# Allegro board 8880F5-0825_4.brd (continued)
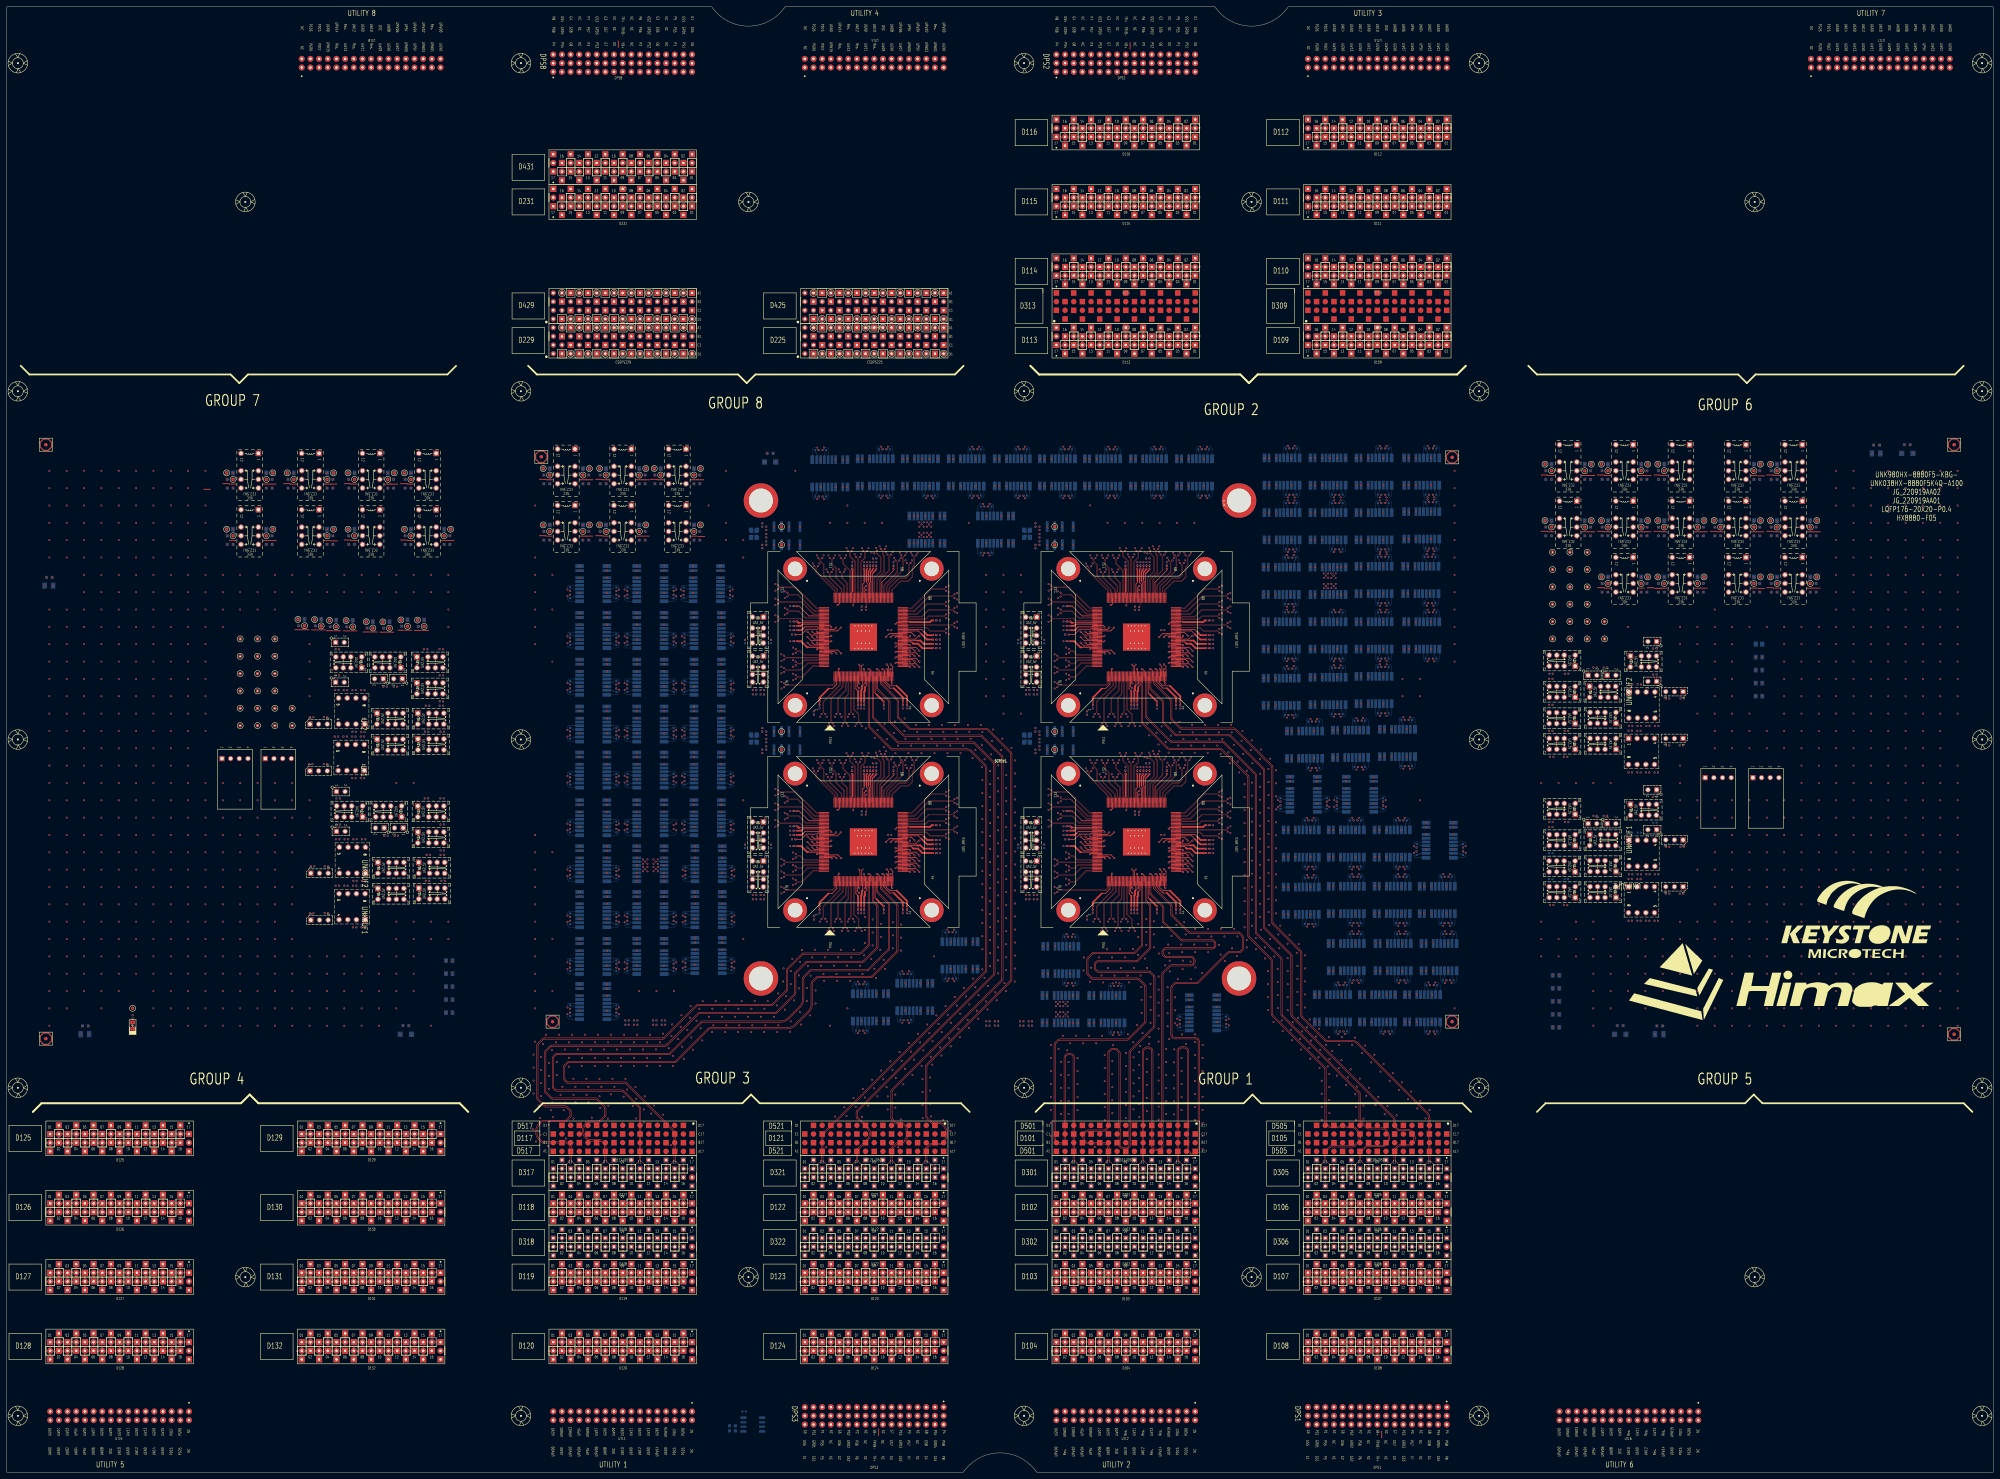
[diagram p0: board, top side]
## Placement (name value [footprint] x y rotation side) (continued)
D103  V93K_CH  [PG_VG93K_F_G1D103]  327.66 57.15 0 top
D104  V93K_CH  [PG_VG93K_F_G1D104]  327.66 36.83 0 top
D105/D505  V93K_PS1600 HD  [PG_VG93K_F_HSM_G1D105_505_ND]  401.32 97.79 0 top
D106  V93K_CH  [PG_VG93K_F_G1D106]  401.32 77.47 0 top
D107  V93K_CH  [PG_VG93K_F_G1D107]  401.32 57.15 0 top
D108  V93K_CH  [PG_VG93K_F_G1D108]  401.32 36.83 0 top
D109  V93K_CH  [PG_VG93K_F_G2D109]  401.32 331.47 0 top
D110  V93K_CH  [PG_VG93K_F_G2D110]  401.32 351.79 0 top
D111  V93K_CH  [PG_VG93K_F_G2D111]  401.32 372.11 0 top
D112  V93K_CH  [PG_VG93K_F_G2D112]  401.32 392.43 0 top
D113  V93K_CH  [PG_VG93K_F_G2D113]  327.66 331.47 0 top
D114  V93K_CH  [PG_VG93K_F_G2D114]  327.66 351.79 0 top
D115  V93K_CH  [PG_VG93K_F_G2D115]  327.66 372.11 0 top
D116  V93K_CH  [PG_VG93K_F_G2D116]  327.66 392.43 0 top
D117/D517  V93K_PS1600 HD  [PG_VG93K_F_HSM_G3D117_517_ND]  180.34 97.79 0 top
D118  V93K_CH  [PG_VG93K_F_G3D118]  180.34 77.47 0 top
D119  V93K_CH  [PG_VG93K_F_G3D119]  180.34 57.15 0 top
D120  V93K_CH  [PG_VG93K_F_G3D120]  180.34 36.83 0 top
D121/D521  V93K_PS1600 HD  [PG_VG93K_F_HSM_G3D121_521_ND]  254 97.79 0 top
D122  V93K_CH  [PG_VG93K_F_G3D122]  254 77.47 0 top
D123  V93K_CH  [PG_VG93K_F_G3D123]  254 57.15 0 top
D124  V93K_CH  [PG_VG93K_F_G3D124]  254 36.83 0 top
D125  V93K_CH  [PG_VG93K_F_G4D125]  33.02 97.79 0 top
D126  V93K_CH  [PG_VG93K_F_G4D126]  33.02 77.47 0 top
D127  V93K_CH  [PG_VG93K_F_G4D127]  33.02 57.15 0 top
D128  V93K_CH  [PG_VG93K_F_G4D128]  33.02 36.83 0 top
D129  V93K_CH  [PG_VG93K_F_G4D129]  106.68 97.79 0 top
D130  V93K_CH  [PG_VG93K_F_G4D130]  106.68 77.47 0 top
D131  V93K_CH  [PG_VG93K_F_G4D131]  106.68 57.15 0 top
D132  V93K_CH  [PG_VG93K_F_G4D132]  106.68 36.83 0 top
D231  V93K_CH  [PG_VG93K_F_G8D231]  180.34 372.11 0 top
D301  V93K_CH  [PG_VG93K_F_G1D301]  327.66 87.63 0 top
D302  V93K_CH  [PG_VG93K_F_G1D302]  327.66 67.31 0 top
D305  V93K_CH  [PG_VG93K_F_G1D305]  401.32 87.63 0 top
D306  V93K_CH  [PG_VG93K_F_G1D306]  401.32 67.31 0 top
D309  V93K_PSSL  [PG_VG93K_F_PSSL_G2D309_ND]  401.32 341.63 0 top
D313  V93K_PSSL  [PG_VG93K_F_PSSL_G2D313_ND]  327.66 341.63 0 top
D317  V93K_CH  [PG_VG93K_F_G3D317]  180.34 87.63 0 top
D318  V93K_CH  [PG_VG93K_F_G3D318]  180.34 67.31 0 top
D321  V93K_CH  [PG_VG93K_F_G3D321]  254 87.63 0 top
D322  V93K_CH  [PG_VG93K_F_G3D322]  254 67.31 0 top
D431  V93K_CH  [PG_VG93K_F_G8D431]  180.34 382.27 0 top
DPS1  V93K_DPS  [PG_VG93K_F_G1DPS1]  401.32 16.51 0 top
DPS2  V93K_DPS  [PG_VG93K_F_G2DPS2]  327.66 412.75 0 top
DPS3  V93K_DPS  [PG_VG93K_F_G3DPS3]  254 16.51 0 top
DPS8  V93K_DPS  [PG_VG93K_F_G8DPS8]  180.34 412.75 0 top
FD1  -  [FD_040_V2]  159.82 131.98 0 top
FD2  -  [FD_040_V2]  423.24 131.98 0 top
FD3  -  [FD_040_V2]  423.24 297.28 0 top
FD4  -  [FD_040_V2]  156.51 297.46 0 top
FD5  -  [FD_040_V2]  159.82 131.98 180 bottom
FD6  -  [FD_040_V2]  423.24 131.98 180 bottom
FD7  -  [FD_040_V2]  423.24 297.28 180 bottom
FD8  -  [FD_040_V2]  156.51 297.46 180 bottom
FD9  -  [FD_040_V2]  570.23 128.27 180 bottom
FD10  -  [FD_040_V2]  570.23 300.99 0 top
FD11  -  [FD_040_V2]  570.23 300.99 180 bottom
FD12  -  [FD_040_V2]  11.43 300.99 0 top
FD13  -  [FD_040_V2]  11.43 300.99 180 bottom
FD14  -  [FD_040_V2]  11.43 127 0 top
FD15  -  [FD_040_V2]  11.43 127 180 bottom
FD16  -  [FD_040_V2]  570.23 128.27 0 top
GND1  TP01  [TP_040_T]  173.57 294 0 top
GND2  TP01  [TP_040_T]  187.11 294 180 top
GND3  TP01  [TP_040_T]  116.42 292.74 0 top
GND4  TP01  [TP_040_T]  157.06 294 0 top
GND5  TP01  [TP_040_T]  170.6 294 180 top
GND6  TP01  [TP_040_T]  173.57 277.5 0 top
GND7  TP01  [TP_040_T]  203.11 294 180 top
GND8  TP01  [TP_040_T]  189.58 294 0 top
GND9  TP01  [TP_040_T]  170.6 277.5 180 top
GND10  TP01  [TP_040_T]  99.36 249.46 0 top
GND11  TP01  [TP_040_T]  94.49 249.52 0 top
GND12  TP01  [TP_040_T]  203.11 277.5 180 top
GND13  TP01  [TP_040_T]  187.11 277.5 180 top
GND14  TP01  [TP_040_T]  157.06 277.5 0 top
HX8880-F05  REF-CODE-CHIP  [CHIP_CODE]  559.05 279.65 0 top
J1  HDR-2X1-M  [JP_2P_100]  110.24 232.41 270 bottom
J2  HDR-3X1-M  [JP_3P_100]  88.76 205.43 90 bottom
J3  HDR-3X1-M  [JP_3P_100]  88.76 219.15 90 bottom
J4  HDR-2X1-M  [JP_2P_100]  96.27 231.39 90 bottom
J5  HDR-2X1-M  [JP_2P_100]  96.27 243.08 90 bottom
JG_220919AA01  REF-CODE-SOCKET  [SOCKET_CODE]  559.05 284.73 0 top
JG_220919AA02  REF-CODE-SOCKET  [SOCKET_CODE]  559.05 287.27 0 top
K1  G6K-2F-RF-T-5V-SPECIAL  [RL_G6K2FRT_8P_5V_GR]  171.7 219.2 270 bottom
K2  G6K-2F-RF-T-5V-SPECIAL  [RL_G6K2FRT_8P_5V_GR]  205.23 232.92 270 bottom
K3  G6K-2F-RF-T-5V-SPECIAL  [RL_G6K2FRT_8P_5V_GR]  294.39 292.86 0 bottom
K4  G6K-2F-RF-T-5V-SPECIAL  [RL_G6K2FRT_8P_5V_GR]  307.59 292.86 0 bottom
K5  G6K-2F-RF-T-5V-SPECIAL  [RL_G6K2FRT_8P_5V_GR]  347.73 292.86 0 bottom
K6  G6K-2F-RF-T-5V-SPECIAL  [RL_G6K2FRT_8P_5V_GR]  334.26 292.86 0 bottom
K7  G6K-2F-RF-T-5V-SPECIAL  [RL_G6K2FRT_8P_5V_GR]  320.8 292.86 0 bottom
K8  G6K-2F-RF-T-5V-SPECIAL  [RL_G6K2FRT_8P_5V_GR]  267.46 292.86 0 bottom
K9  UA2-5NJ-A-V3  [RL_NECUA2_5V_V3]  219.96 235.46 90 bottom
K10  UA2-5NJ-A-V3  [RL_NECUA2_5V_V3]  111.76 237.24 0 bottom
K11  G6K-2F-RF-T-5V-SPECIAL  [RL_G6K2FRT_8P_5V_GR]  289.56 276.1 180 bottom
K12  UA2-5NJ-A-V3  [RL_NECUA2_5V_V3]  219.96 246.89 90 bottom
K13  UA2-5NJ-A-V3  [RL_NECUA2_5V_V3]  123.7 229.62 180 bottom
K14  UA2-5NJ-A-V3  [RL_NECUA2_5V_V3]  112.01 220.73 180 bottom
K15  UA2-5NJ-A-V3  [RL_NECUA2_5V_V3]  123.99 213.19 180 bottom
K16  G6K-2F-RF-T-5V-SPECIAL  [RL_G6K2FRT_8P_5V_GR]  241.05 292.61 180 bottom
K17  G6K-2F-RF-T-5V-SPECIAL  [RL_G6K2FRT_8P_5V_GR]  254.25 292.86 0 bottom
K18  UB2-5NU-B  [RL_NECUB2_5V]  228.45 274.32 0 bottom
K19  UA2-5NJ-A-V3  [RL_NECUA2_5V_V3]  112.01 213.11 180 bottom
K20  UA2-5NJ-A-V3  [RL_NECUA2_5V_V3]  123.95 220.73 180 bottom
K21  G6K-2F-RF-T-5V-SPECIAL  [RL_G6K2FRT_8P_5V_GR]  280.92 292.86 0 bottom
K22  G6K-2F-RF-T-5V-SPECIAL  [RL_G6K2FRT_8P_5V_GR]  205.23 246.63 270 bottom
K23  G6K-2F-RF-T-5V-SPECIAL  [RL_G6K2FRT_8P_5V_GR]  188.47 232.92 270 bottom
K24  G6K-2F-RF-T-5V-SPECIAL  [RL_G6K2FRT_8P_5V_GR]  171.7 232.92 270 bottom
K25  G6K-2F-RF-T-5V-SPECIAL  [RL_G6K2FRT_8P_5V_GR]  204.98 260.35 270 bottom
K26  G6K-2F-RF-T-5V-SPECIAL  [RL_G6K2FRT_8P_5V_GR]  188.47 246.63 270 bottom
K27  G6K-2F-RF-T-5V-SPECIAL  [RL_G6K2FRT_8P_5V_GR]  171.7 246.63 270 bottom
K28  UA2-5NJ-A-V3  [RL_NECUA2_5V_V3]  100.33 237.24 0 bottom
K29  G6K-2F-RF-T-5V-SPECIAL  [RL_G6K2FRT_8P_5V_GR]  171.7 260.35 270 bottom
K30  G6K-2F-RF-T-5V-SPECIAL  [RL_G6K2FRT_8P_5V_GR]  188.47 260.35 270 bottom
K31  EC2-5NJ-A  [RL_NECEC2_10P_5V]  196.34 276.86 90 bottom
K33  NC/UA2-5NJ-A-V3  [RL_NECUA2_5V_V3]  123.7 237.24 180 bottom
K34  EC2-5NJ-A  [RL_NECEC2_10P_5V]  180.34 293.37 90 bottom
K36  EC2-5NJ-A  [RL_NECEC2_10P_5V]  123.19 292.1 90 bottom
K37  EC2-5NJ-A  [RL_NECEC2_10P_5V]  163.83 293.37 90 bottom
K39  EC2-5NJ-A  [RL_NECEC2_10P_5V]  180.34 276.86 90 bottom
K40  EC2-5NJ-A  [RL_NECEC2_10P_5V]  196.34 293.37 90 bottom
K42  EC2-5NJ-A  [RL_NECEC2_10P_5V]  163.83 276.86 90 bottom
K43  G6K-2F-RF-T-5V-SPECIAL  [RL_G6K2FRT_8P_5V_GR]  269.49 276.1 180 bottom
LD902  LDG-2-S8  [LED_0805]  36.83 130.81 90 top
LOGO1  -  [LOGO_KT_KSMT]  538.48 154.94 0 top
LOGO2  LOGO_HX_Himax  [LOGO_HX_HIMAX]  518.16 138.43 0 top
LQFP176-20X20-P0.4  REF-CODE-CHIP  [CHIP_CODE]  559.05 282.19 0 top
NOREF  -  []  332.83 204.65 90 top
NOREF#2  -  []  252.6 296.86 0 top
NOREF#3  -  []  218.16 188.49 0 top
NOREF#4  -  []  119.99 214.79 0 top
NOREF#5  -  []  405.93 272.66 90 top
NOREF#6  -  []  199.08 254 90 top
NOREF#7  -  []  318.32 131.64 0 top
NOREF#8  -  []  256.77 223.82 90 top
NOREF#9  -  []  403.99 163.64 0 top
NOREF#10  -  []  398.65 265.37 0 top
NOREF#11  -  []  495.08 257.36 90 top
NOREF#12  -  []  385.19 257.11 0 top
NOREF#13  -  []  385.93 161.74 0 top
NOREF#14  -  []  310.41 186.34 90 top
NOREF#15  -  []  168.13 186.02 90 top
NOREF#16  -  []  252.51 205.55 0 top
NOREF#17  -  []  404.15 273.11 0 top
NOREF#18  -  []  199.59 145.03 0 top
NOREF#19  -  []  321.35 296.86 0 top
NOREF#20  -  []  199.84 148.65 90 top
NOREF#21  -  []  200.98 260.9 90 top
NOREF#22  -  []  248.96 224.74 0 top
NOREF#23  -  []  423.61 184.62 90 top
NOREF#24  -  []  271.34 182.64 0 top
NOREF#25  -  []  241.6 296.61 0 top
NOREF#26  -  []  473.6 162.62 90 top
NOREF#27  -  []  253.72 264.65 90 top
NOREF#28  -  []  423.71 181.22 90 top
NOREF#29  -  []  320.94 211.63 90 top
NOREF#30  -  []  309.21 253.37 0 top
NOREF#31  -  []  300.36 248.49 0 top
NOREF#32  -  []  175.7 154.88 90 top
NOREF#33  -  []  116.01 214.71 0 top
NOREF#34  -  []  175.7 182.06 90 top
NOREF#35  -  []  66.26 287.84 90 top
NOREF#36  -  []  336.45 164.74 0 top
NOREF#37  -  []  112.16 238.84 0 top
NOREF#38  -  []  201.49 149.73 90 top
NOREF#39  -  []  310.73 189.2 0 top
NOREF#40  -  []  396.55 289.12 0 top
NOREF#41  -  []  381.74 265.11 0 top
NOREF#42  -  []  108.01 214.71 0 top
NOREF#43  -  []  332.83 205.86 90 top
NOREF#44  -  []  122.15 195.15 0 top
NOREF#45  -  []  369.38 257.11 0 top
NOREF#46  -  []  337.09 223.52 90 top
NOREF#47  -  []  127.55 219.13 90 top
NOREF#48  -  []  167.7 176.66 90 top
NOREF#49  -  []  201.49 176.66 90 top
NOREF#50  -  []  302.49 296.86 0 top
NOREF#51  -  []  184.47 260.9 90 top
NOREF#52  -  []  201.49 151.93 90 top
NOREF#53  -  []  221.87 295.91 0 top
NOREF#54  -  []  235.4 289.88 90 top
NOREF#55  -  []  351.34 241.37 0 top
NOREF#56  -  []  263.31 164.74 0 top
NOREF#57  -  []  118.45 234.24 90 top
NOREF#58  -  []  352.55 249.5 0 top
NOREF#59  -  []  405.5 225.11 90 top
NOREF#60  -  []  351.04 189.18 0 top
NOREF#61  -  []  290.64 288.86 0 top
NOREF#62  -  []  327.25 205.55 0 top
NOREF#63  -  []  259.33 265.55 0 top
NOREF#64  -  []  385.61 208.56 90 top
NOREF#65  -  []  118.33 286.94 90 top
NOREF#66  -  []  353.35 288.41 90 top
NOREF#67  -  []  175.8 147.18 90 top
NOREF#68  -  []  390.53 180.15 0 top
NOREF#69  -  []  460.93 225.6 90 top
NOREF#70  -  []  409.99 146.93 90 top
NOREF#71  -  []  315.7 296.86 0 top
NOREF#72  -  []  230.43 186.34 90 top
NOREF#73  -  []  339.89 288.31 90 top
NOREF#74  -  []  404.15 241.11 0 top
NOREF#75  -  []  251.05 204.65 90 top
NOREF#76  -  []  331.05 205.86 90 top
NOREF#77  -  []  411.26 179.7 90 top
NOREF#78  -  []  219.76 297.18 0 top
NOREF#79  -  []  238.45 257.01 0 top
NOREF#80  -  []  472.86 210.36 90 top
NOREF#81  -  []  402.14 146.88 0 top
NOREF#82  -  []  451.68 214.96 0 top
NOREF#83  -  []  230.43 247.61 90 top
NOREF#84  -  []  167.7 151.68 90 top
NOREF#85  -  []  261.63 173.83 90 top
NOREF#86  -  []  368.03 249.11 0 top
NOREF#87  -  []  310.43 183.09 90 top
NOREF#88  -  []  400.24 198.08 90 top
NOREF#89  -  []  106.76 222.88 0 top
NOREF#90  -  []  284.36 280.1 0 top
NOREF#91  -  []  263.31 164.72 0 top
NOREF#92  -  []  177.33 133.47 90 top
NOREF#93  -  []  387.39 281.11 0 top
NOREF#94  -  []  242.23 233.13 0 top
NOREF#95  -  []  352.24 241.05 90 top
NOREF#96  -  []  339.33 265.56 90 top
NOREF#97  -  []  479.44 195.66 0 top
NOREF#98  -  []  367.48 258.38 90 top
NOREF#99  -  []  175.7 236.67 90 top
NOREF#100  -  []  108.01 222.33 0 top
NOREF#101  -  []  388.43 180.15 0 top
NOREF#102  -  []  127.7 238.84 0 top
NOREF#103  -  []  308.36 202.16 45 top
NOREF#104  -  []  371.73 297.12 0 top
NOREF#105  -  []  398.53 178.25 90 top
NOREF#106  -  []  333.4 265.55 0 top
NOREF#107  -  []  310.43 186.34 90 top
NOREF#108  -  []  390.53 146.88 0 top
NOREF#109  -  []  451.68 230.2 0 top
NOREF#110  -  []  411.52 146.43 90 top
NOREF#111  -  []  416.03 179.42 90 top
NOREF#112  -  []  351.58 288.86 0 top
NOREF#113  -  []  168.13 159.1 90 top
NOREF#114  -  []  377.32 180.15 0 top
NOREF#115  -  []  184.47 215.35 90 top
NOREF#116  -  []  249.85 164.74 0 top
NOREF#117  -  []  415.61 181.32 90 top
NOREF#118  -  []  475.36 127 90 top
NOREF#119  -  []  379.48 255.21 90 top
NOREF#120  -  []  177.33 214.75 90 top
NOREF#121  -  []  119.7 231.22 0 top
NOREF#122  -  []  332.51 265.55 0 top
NOREF#123  -  []  192.47 264.1 90 top
NOREF#124  -  []  249.13 140.14 0 top
NOREF#125  -  []  88.64 247.45 90 top
NOREF#126  -  []  175.8 160.9 90 top
NOREF#127  -  []  184.47 159.65 90 top
NOREF#128  -  []  230.41 183.09 90 top
NOREF#129  -  []  309.21 183.09 0 top
NOREF#130  -  []  273.5 148.65 90 top
NOREF#131  -  []  328.33 247.93 0 top
NOREF#132  -  []  478.57 259.9 90 top
NOREF#133  -  []  209.23 191.22 90 top
NOREF#134  -  []  331.62 205.55 0 top
NOREF#135  -  []  351.34 189.5 0 top
NOREF#136  -  []  290.64 288.86 0 top
NOREF#137  -  []  310.43 183.09 0 top
NOREF#138  -  []  373.93 281.11 0 top
NOREF#139  -  []  342.63 296.86 0 top
NOREF#140  -  []  339.33 205.55 0 top
NOREF#141  -  []  388.66 139.89 0 top
NOREF#142  -  []  234.7 286.71 90 top
NOREF#143  -  []  229.51 246.66 0 top
NOREF#144  -  []  375.22 180.15 0 top
NOREF#145  -  []  117.26 190.55 90 top
NOREF#146  -  []  379.48 239.21 90 top
NOREF#147  -  []  201.23 200.54 90 top
NOREF#148  -  []  252.51 265.55 0 top
NOREF#149  -  []  230.73 193.69 0 top
NOREF#150  -  []  277.17 288.86 0 top
NOREF#151  -  []  369.38 224.6 0 top
NOREF#152  -  []  253.53 140.14 0 top
NOREF#153  -  []  252.83 205.86 90 top
NOREF#154  -  []  378.33 241.11 90 top
NOREF#155  -  []  251.62 265.56 90 top
NOREF#156  -  []  262.04 224.74 0 top
NOREF#157  -  []  118.7 195.7 0 top
NOREF#158  -  []  201.23 204.09 90 top
NOREF#159  -  []  328.96 164.72 0 top
NOREF#160  -  []  254.29 265.55 0 top
NOREF#161  -  []  342.04 224.72 0 top
NOREF#162  -  []  310.41 187.61 90 top
NOREF#163  -  []  378.33 257.11 90 top
NOREF#164  -  []  201.21 292.55 90 top
NOREF#165  -  []  168.13 240.88 90 top
NOREF#166  -  []  336.77 163.82 90 top
NOREF#167  -  []  119.7 238.84 0 top
NOREF#168  -  []  422.7 163.64 0 top
NOREF#169  -  []  478.57 293.82 90 top
NOREF#170  -  []  167.7 165.4 90 top
NOREF#171  -  []  226.83 209.63 90 top
NOREF#172  -  []  254.29 265.56 0 top
NOREF#173  -  []  459.24 175.86 0 top
NOREF#174  -  []  201.23 233.47 90 top
NOREF#175  -  []  310.43 248.88 0 top
NOREF#176  -  []  272.24 241.05 90 top
NOREF#177  -  []  394.66 258.64 90 top
NOREF#178  -  []  192.47 250.38 90 top
NOREF#179  -  []  295.96 237.06 0 top
NOREF#180  -  []  337.9 186.35 90 top
NOREF#181  -  []  383.09 289.12 0 top
NOREF#182  -  []  263.19 135.19 0 top
NOREF#183  -  []  390.34 192.28 90 top
NOREF#184  -  []  309.51 193.69 0 top
NOREF#185  -  []  317.98 163.82 90 top
NOREF#186  -  []  155.57 272.6 90 top
NOREF#187  -  []  295.96 248.49 0 top
NOREF#188  -  []  269.69 135.19 0 top
NOREF#189  -  []  230.43 249.52 0 top
NOREF#190  -  []  391.8 209.36 0 top
NOREF#191  -  []  192.47 154.88 90 top
NOREF#192  -  []  404.4 273.16 90 top
NOREF#193  -  []  380.59 239.21 0 top
NOREF#194  -  []  252.83 204.65 90 top
NOREF#195  -  []  245.15 288.66 90 top
NOREF#196  -  []  385.93 144.98 0 top
NOREF#197  -  []  119.95 187.53 0 top
NOREF#198  -  []  175.7 218.65 90 top
NOREF#199  -  []  327.57 204.65 90 top
NOREF#200  -  []  388.43 163.64 0 top
NOREF#201  -  []  390.94 224.9 90 top
NOREF#202  -  []  314.2 145.6 90 top
NOREF#203  -  []  409.17 281.37 0 top
NOREF#204  -  []  184.47 255.15 90 top
NOREF#205  -  []  330.51 288.86 0 top
NOREF#206  -  []  248.96 224.72 0 top
NOREF#207  -  []  309.21 193.37 0 top
NOREF#208  -  []  275.28 290.13 90 top
NOREF#209  -  []  459.28 183.57 90 top
NOREF#210  -  []  250.5 288.86 0 top
NOREF#211  -  []  408.63 242.38 90 top
NOREF#212  -  []  352.55 181.37 0 top
NOREF#213  -  []  328.96 224.72 0 top
NOREF#214  -  []  118.45 231.77 0 top
NOREF#215  -  []  103.93 235.64 90 top
NOREF#216  -  []  168.13 213.45 90 top
NOREF#217  -  []  468.01 214.96 0 top
NOREF#218  -  []  392.47 272.66 90 top
NOREF#219  -  []  302.32 144.15 0 top
NOREF#220  -  []  271.34 181.37 0 top
NOREF#221  -  []  456.08 230.2 0 top
NOREF#222  -  []  250.73 264.35 90 top
NOREF#223  -  []  351.04 245.5 0 top
NOREF#224  -  []  383.09 289.12 0 top
NOREF#225  -  []  330.17 223.82 90 top
NOREF#226  -  []  184.47 145.93 0 top
NOREF#227  -  []  406.65 223.21 90 top
NOREF#228  -  []  377.32 188.15 0 top
NOREF#229  -  []  209.49 168.6 90 top
NOREF#230  -  []  385.19 289.12 0 top
NOREF#231  -  []  309.05 211.67 0 top
NOREF#232  -  []  106.76 215.26 0 top
NOREF#233  -  []  235.85 288.61 90 top
NOREF#234  -  []  377.48 273.16 90 top
NOREF#235  -  []  201.23 215.35 90 top
NOREF#236  -  []  309.51 253.69 0 top
NOREF#237  -  []  229.21 253.37 0 top
NOREF#238  -  []  320.94 151.63 90 top
NOREF#239  -  []  262.04 164.74 0 top
NOREF#240  -  []  396.55 273.11 0 top
NOREF#241  -  []  271.04 184.23 0 top
NOREF#242  -  []  302.71 132.91 90 top
NOREF#243  -  []  453.88 171.53 0 top
NOREF#244  -  []  392.66 192.88 90 top
NOREF#245  -  []  229.21 247.61 0 top
NOREF#246  -  []  298.13 274.06 0 top
NOREF#247  -  []  192.47 164.3 90 top
NOREF#248  -  []  310.41 246.34 90 top
NOREF#249  -  []  230.43 248.88 90 top
NOREF#250  -  []  394.46 129.99 90 top
NOREF#251  -  []  305.83 264.31 0 top
NOREF#252  -  []  215.96 237.06 0 top
NOREF#253  -  []  175.7 232.37 90 top
NOREF#254  -  []  302.11 240.71 0 top
NOREF#255  -  []  396.55 273.11 0 top
NOREF#256  -  []  375.73 199.18 90 top
NOREF#257  -  []  209.59 174.36 90 top
NOREF#258  -  []  368.28 281.11 0 top
NOREF#259  -  []  376.98 241.11 0 top
NOREF#260  -  []  184.89 145.38 90 top
NOREF#261  -  []  459.28 192.71 0 top
NOREF#262  -  []  330.73 205.56 0 top
NOREF#263  -  []  94.93 190.55 0 top
NOREF#264  -  []  238.3 288.61 0 top
NOREF#265  -  []  167.7 260.9 90 top
NOREF#266  -  []  394.66 290.39 90 top
NOREF#267  -  []  315.16 290.13 90 top
NOREF#268  -  []  263.2 232.26 90 top
NOREF#269  -  []  168.69 273.5 90 top
NOREF#270  -  []  327.25 205.56 90 top
NOREF#271  -  []  468.01 222.58 0 top
NOREF#272  -  []  250.5 288.86 0 top
NOREF#273  -  []  273.09 288.31 90 top
NOREF#274  -  []  222.11 252.14 0 top
NOREF#275  -  []  366.88 222.7 0 top
NOREF#276  -  []  331.94 264.65 90 top
NOREF#277  -  []  119.95 222.33 0 top
NOREF#278  -  []  110.21 214.71 0 top
NOREF#279  -  []  301.95 290.13 90 top
NOREF#280  -  []  378.33 217.11 0 top
NOREF#281  -  []  167.7 138.47 90 top
NOREF#282  -  []  110.47 171.02 0 top
NOREF#283  -  []  234.7 298.51 0 top
NOREF#284  -  []  392.47 224.4 90 top
NOREF#285  -  []  337.09 224.74 90 top
NOREF#286  -  []  262.36 163.82 90 top
NOREF#287  -  []  414.82 281.37 0 top
NOREF#288  -  []  483.17 130.26 90 top
NOREF#289  -  []  254.61 205.86 90 top
NOREF#290  -  []  390.69 241.11 0 top
NOREF#291  -  []  167.7 186.57 90 top
NOREF#292  -  []  230.43 183.09 0 top
NOREF#293  -  []  175.7 222.95 90 top
NOREF#294  -  []  393.19 255.21 90 top
NOREF#295  -  []  221.56 182.89 0 top
NOREF#296  -  []  424.05 163.64 90 top
NOREF#297  -  []  165.8 185.42 90 top
NOREF#298  -  []  461.86 225.6 90 top
NOREF#299  -  []  118.99 171.65 0 top
NOREF#300  -  []  399.39 161.74 0 top
NOREF#301  -  []  279.27 288.86 0 top
NOREF#302  -  []  391.8 217.36 0 top
NOREF#303  -  []  124.1 238.84 0 top
NOREF#304  -  []  396.55 225.11 0 top
NOREF#305  -  []  295.96 237.06 0 top
NOREF#306  -  []  405.5 289.12 90 top
NOREF#307  -  []  201.23 214 0 top
NOREF#308  -  []  234.33 168.13 90 top
NOREF#309  -  []  127.99 214.79 0 top
NOREF#310  -  []  352.24 182.32 90 top
NOREF#311  -  []  383.83 194.68 90 top
NOREF#312  -  []  411.52 146.33 90 top
NOREF#313  -  []  230.83 224.63 0 top
NOREF#314  -  []  217.41 273.24 90 top
NOREF#315  -  []  331.62 204.35 90 top
NOREF#316  -  []  309.51 187.93 0 top
NOREF#317  -  []  218.13 214.06 90 top
NOREF#318  -  []  318.3 163.52 90 top
NOREF#319  -  []  495.08 277.31 90 top
NOREF#320  -  []  175.8 201.79 90 top
NOREF#321  -  []  300.74 286.96 90 top
NOREF#322  -  []  167.7 200.54 0 top
NOREF#323  -  []  343.63 165.04 90 top
NOREF#324  -  []  122.41 178.64 0 top
NOREF#325  -  []  254.61 265.86 90 top
NOREF#326  -  []  495.08 274.77 90 top
NOREF#327  -  []  450.03 182.17 0 top
NOREF#328  -  []  456.04 222.5 0 top
NOREF#329  -  []  230.43 253.37 90 top
NOREF#330  -  []  107.18 246.83 90 top
NOREF#331  -  []  338.36 288.91 90 top
NOREF#332  -  []  411.26 163.09 90 top
NOREF#333  -  []  278.6 147.38 0 top
NOREF#334  -  []  371.48 232.6 0 top
NOREF#335  -  []  473.79 234.49 90 top
NOREF#336  -  []  209.23 232.37 90 top
NOREF#337  -  []  271.04 189.82 0 top
NOREF#338  -  []  305.83 204.31 0 top
NOREF#339  -  []  518.38 292.92 90 top
NOREF#340  -  []  251.06 225.04 90 top
NOREF#341  -  []  199.33 226.57 0 top
NOREF#342  -  []  334.29 205.56 0 top
NOREF#343  -  []  310.43 188.88 90 top
NOREF#344  -  []  112.41 214.71 0 top
NOREF#345  -  []  449.99 174.46 0 top
NOREF#346  -  []  167.7 165.4 90 top
NOREF#347  -  []  342.04 224.74 0 top
NOREF#348  -  []  473.7 176.22 90 top
NOREF#349  -  []  201.49 165.4 90 top
NOREF#350  -  []  333.4 205.56 90 top
NOREF#351  -  []  424.55 146.88 90 top
NOREF#352  -  []  254.8 296.86 0 top
NOREF#353  -  []  127.84 167.9 90 top
NOREF#354  -  []  387.08 171.64 0 top
NOREF#355  -  []  368.03 232.6 0 top
NOREF#356  -  []  404.4 241.16 90 top
NOREF#357  -  []  387.39 232.85 0 top
NOREF#358  -  []  387.2 207.46 0 top
NOREF#359  -  []  369.63 289.12 0 top
NOREF#360  -  []  331.38 223.52 90 top
NOREF#361  -  []  167.7 132.72 0 top
NOREF#362  -  []  115.61 219.13 90 top
NOREF#363  -  []  272.25 245.5 0 top
NOREF#364  -  []  352.24 244.86 90 top
NOREF#365  -  []  184.47 173.11 90 top
NOREF#366  -  []  419.9 240.56 90 top
NOREF#367  -  []  254.29 205.55 0 top
NOREF#368  -  []  459.28 227 0 top
NOREF#369  -  []  381.2 242.38 90 top
NOREF#370  -  []  451.68 195.91 0 top
NOREF#371  -  []  322.23 233.13 90 top
NOREF#372  -  []  397.8 163.09 90 top
NOREF#373  -  []  166.06 216.47 90 top
NOREF#374  -  []  272.25 181.05 90 top
NOREF#375  -  []  330.49 224.74 90 top
NOREF#376  -  []  331.86 252.43 90 top
NOREF#377  -  []  298.13 274.06 90 top
NOREF#378  -  []  461.86 187.32 0 top
NOREF#379  -  []  333.4 265.56 90 top
NOREF#380  -  []  310.73 189.2 0 top
NOREF#381  -  []  451.68 195.91 0 top
NOREF#382  -  []  409.74 180.2 90 top
NOREF#383  -  []  272.24 182.32 90 top
NOREF#384  -  []  481.96 276.41 90 top
NOREF#385  -  []  257.9 186.99 0 top
NOREF#386  -  []  310.73 249.2 0 top
NOREF#387  -  []  310.43 248.88 90 top
NOREF#388  -  []  192.47 168.6 90 top
NOREF#389  -  []  400.54 171.64 0 top
NOREF#390  -  []  462.06 291.28 90 top
NOREF#391  -  []  111.54 290.38 90 top
NOREF#392  -  []  242.23 173.13 90 top
NOREF#393  -  []  385.93 178.25 0 top
NOREF#394  -  []  310.43 189.52 0 top
NOREF#395  -  []  272.25 243.59 90 top
NOREF#396  -  []  283.91 273.37 90 top
NOREF#397  -  []  209.23 218.65 90 top
NOREF#398  -  []  373.68 232.6 0 top
NOREF#399  -  []  175.7 177.76 90 top
NOREF#400  -  []  230.43 246.34 90 top
NOREF#401  -  []  118.7 188.08 0 top
NOREF#402  -  []  330.49 164.74 90 top
NOREF#403  -  []  252.51 205.56 90 top
NOREF#404  -  []  199.33 199.39 0 top
NOREF#405  -  []  369.38 241.11 0 top
NOREF#406  -  []  298.16 237.06 0 top
NOREF#407  -  []  419.47 241.11 90 top
NOREF#408  -  []  247.57 265.86 90 top
NOREF#409  -  []  310.43 187.61 90 top
NOREF#410  -  []  199.33 185.42 0 top
NOREF#411  -  []  168.69 290.01 90 top
NOREF#412  -  []  414.82 249.11 0 top
NOREF#413  -  []  119.95 195.15 0 top
NOREF#414  -  []  112.41 222.33 0 top
NOREF#415  -  []  310.73 186.66 0 top
NOREF#416  -  []  251.54 252.73 90 top
NOREF#417  -  []  259.65 204.65 90 top
NOREF#418  -  []  272.25 182.96 0 top
NOREF#419  -  []  201.49 146.18 0 top
NOREF#420  -  []  217.71 276.09 0 top
NOREF#421  -  []  376.15 192.88 90 top
NOREF#422  -  []  336.45 224.72 0 top
NOREF#423  -  []  376.23 209.11 0 top
NOREF#424  -  []  400.85 265.37 0 top
NOREF#425  -  []  251.06 163.82 90 top
NOREF#426  -  []  107.76 238.84 0 top
NOREF#427  -  []  182.57 144.78 0 top
NOREF#428  -  []  201.49 173.11 0 top
NOREF#429  -  []  230.41 193.37 90 top
NOREF#430  -  []  177.33 255.9 90 top
NOREF#431  -  []  389.7 209.36 0 top
NOREF#432  -  []  467.51 186.77 0 top
NOREF#433  -  []  407.67 129.99 90 top
NOREF#434  -  []  410.52 273.37 0 top
NOREF#435  -  []  380.59 271.21 0 top
NOREF#436  -  []  271.04 241.69 0 top
NOREF#437  -  []  230.43 253.37 0 top
NOREF#438  -  []  201.23 192.32 90 top
NOREF#439  -  []  369.63 273.11 0 top
NOREF#440  -  []  304.82 146.05 0 top
NOREF#441  -  []  378.33 209.11 0 top
NOREF#442  -  []  310.73 187.93 0 top
NOREF#443  -  []  402.14 146.88 0 top
NOREF#444  -  []  66.26 290.38 90 top
NOREF#445  -  []  317.57 269.63 90 top
NOREF#446  -  []  296.96 252.14 0 top
NOREF#447  -  []  418.12 241.11 0 top
NOREF#448  -  []  230.43 253.37 90 top
NOREF#449  -  []  166.06 189.04 90 top
NOREF#450  -  []  209.59 160.9 90 top
NOREF#451  -  []  404.15 257.37 0 top
NOREF#452  -  []  166.06 257.62 90 top
NOREF#453  -  []  463.61 171.53 0 top
NOREF#454  -  []  392.21 131.94 90 top
NOREF#455  -  []  229.21 183.09 0 top
NOREF#456  -  []  238.45 197.01 0 top
NOREF#457  -  []  297.83 234.63 90 top
NOREF#458  -  []  311.44 288.86 0 top
NOREF#459  -  []  311.69 288.91 90 top
NOREF#460  -  []  330.73 265.56 0 top
NOREF#461  -  []  367.48 225.87 90 top
NOREF#462  -  []  310.43 249.52 0 top
NOREF#463  -  []  184.47 260.9 90 top
NOREF#464  -  []  184.47 227.72 0 top
NOREF#465  -  []  367.48 242.38 90 top
NOREF#466  -  []  165.8 226.57 90 top
NOREF#467  -  []  327.89 264.35 90 top
NOREF#468  -  []  272.25 249.82 0 top
NOREF#469  -  []  175.7 230.17 90 top
NOREF#470  -  []  405.93 256.82 90 top
NOREF#471  -  []  354.27 138.37 90 top
NOREF#472  -  []  414.82 297.12 0 top
NOREF#473  -  []  209.33 215.25 90 top
NOREF#474  -  []  448.94 273.87 90 top
NOREF#475  -  []  419.65 256.92 90 top
NOREF#476  -  []  118.45 239.39 0 top
NOREF#477  -  []  315.82 129.74 0 top
NOREF#478  -  []  277.17 288.86 0 top
NOREF#479  -  []  201.23 186.57 90 top
NOREF#480  -  []  263.95 223.52 90 top
NOREF#481  -  []  285.71 280.1 0 top
NOREF#482  -  []  290.64 288.86 0 top
NOREF#483  -  []  250.17 223.82 90 top
NOREF#484  -  []  263.83 231.63 90 top
NOREF#485  -  []  394.66 242.38 90 top
NOREF#486  -  []  182.57 240.28 90 top
NOREF#487  -  []  251.38 223.52 90 top
NOREF#488  -  []  247.57 205.86 90 top
NOREF#489  -  []  397.8 179.7 90 top
NOREF#490  -  []  418.37 289.17 90 top
NOREF#491  -  []  300.36 188.49 0 top
NOREF#492  -  []  182.82 175.58 90 top
NOREF#493  -  []  478.57 274.77 90 top
NOREF#494  -  []  167.7 242.78 90 top
NOREF#495  -  []  128.05 271.33 90 top
NOREF#496  -  []  332.51 265.56 0 top
NOREF#497  -  []  120.24 171.1 0 top
NOREF#498  -  []  369.63 273.11 0 top
NOREF#499  -  []  167.7 217.55 90 top
NOREF#500  -  []  259.65 205.86 90 top
NOREF#501  -  []  390.94 241.16 90 top
NOREF#502  -  []  392.04 273.11 90 top
NOREF#503  -  []  328.96 164.74 0 top
NOREF#504  -  []  396.03 180.15 0 top
NOREF#505  -  []  184.47 149.48 90 top
NOREF#506  -  []  352.25 184.86 90 top
NOREF#507  -  []  301.56 190.49 0 top
NOREF#508  -  []  251.62 204.35 90 top
NOREF#509  -  []  261.63 255.43 90 top
NOREF#510  -  []  209.33 201.79 90 top
NOREF#511  -  []  185.2 276.04 90 top
NOREF#512  -  []  167.7 258.7 90 top
NOREF#513  -  []  390.69 289.12 0 top
NOREF#514  -  []  459.28 211.76 90 top
NOREF#515  -  []  355.89 130.17 90 top
NOREF#516  -  []  344.62 131.89 90 top
NOREF#517  -  []  251.62 265.55 0 top
NOREF#518  -  []  184.89 186.02 90 top
NOREF#519  -  []  272.55 245.18 0 top
NOREF#520  -  []  230.73 189.2 0 top
NOREF#521  -  []  101.82 287.84 90 top
NOREF#522  -  []  334.29 264.35 90 top
NOREF#523  -  []  229.51 186.66 0 top
NOREF#524  -  []  192.47 232.37 90 top
NOREF#525  -  []  317.83 197.63 0 top
NOREF#526  -  []  298.16 177.06 0 top
NOREF#527  -  []  261.21 286.96 0 top
NOREF#528  -  []  354.37 130.67 90 top
NOREF#529  -  []  250.74 224.72 0 top
NOREF#530  -  []  218.16 177.06 0 top
NOREF#531  -  []  101.82 271.33 90 top
NOREF#532  -  []  352.25 185.5 0 top
NOREF#533  -  []  262.04 224.72 0 top
NOREF#534  -  []  127.3 235.64 90 top
NOREF#535  -  []  248.61 290.13 90 top
NOREF#536  -  []  380.59 222.95 0 top
NOREF#537  -  []  418.37 273.42 90 top
NOREF#538  -  []  257.09 223.52 90 top
NOREF#539  -  []  420.15 131.34 90 top
NOREF#540  -  []  209.49 148.63 90 top
NOREF#541  -  []  256.45 224.74 0 top
NOREF#542  -  []  471.21 168.33 0 top
NOREF#543  -  []  249.28 165.04 90 top
NOREF#544  -  []  295.96 248.49 0 top
NOREF#545  -  []  231.15 219.63 90 top
NOREF#546  -  []  184.47 206.29 90 top
NOREF#547  -  []  251.86 192.43 90 top
NOREF#548  -  []  314.33 228.13 90 top
NOREF#549  -  []  397.57 131.89 0 top
NOREF#550  -  []  456.08 239.34 0 top
NOREF#551  -  []  330.73 265.56 90 top
NOREF#552  -  []  405.5 273.11 90 top
NOREF#553  -  []  226.85 211.67 0 top
NOREF#554  -  []  271.04 189.18 0 top
NOREF#555  -  []  237.83 257.63 0 top
NOREF#556  -  []  201.91 145.63 90 top
NOREF#557  -  []  398.65 281.11 0 top
NOREF#558  -  []  184.47 247.18 90 top
NOREF#559  -  []  201.66 186.02 90 top
NOREF#560  -  []  327.25 264.35 90 top
NOREF#561  -  []  127.95 195.15 0 top
NOREF#562  -  []  201.23 192.32 90 top
NOREF#563  -  []  252.51 265.56 0 top
NOREF#564  -  []  220.36 248.49 0 top
NOREF#565  -  []  352.25 244.23 0 top
NOREF#566  -  []  101.82 273.87 90 top
NOREF#567  -  []  310.73 243.41 0 top
NOREF#568  -  []  343.63 223.82 90 top
NOREF#569  -  []  404.15 225.11 0 top
NOREF#570  -  []  397.38 146.88 90 top
NOREF#571  -  []  331.94 205.86 90 top
NOREF#572  -  []  118.7 190.55 90 top
NOREF#573  -  []  246.63 142.04 0 top
NOREF#574  -  []  305.94 296.86 0 top
NOREF#575  -  []  406.19 188.15 0 top
NOREF#576  -  []  322.23 173.13 90 top
NOREF#577  -  []  423.2 146.88 0 top
NOREF#578  -  []  322.23 233.13 0 top
NOREF#579  -  []  465.45 276.41 90 top
NOREF#580  -  []  118.45 239.39 0 top
NOREF#581  -  []  199.59 230.19 90 top
NOREF#582  -  []  217.83 174.63 90 top
NOREF#583  -  []  342.04 164.72 0 top
NOREF#584  -  []  338.2 246.67 0 top
NOREF#585  -  []  398.65 257.37 0 top
NOREF#586  -  []  304.65 271.67 0 top
NOREF#587  -  []  249.28 225.04 90 top
NOREF#588  -  []  247.25 205.55 0 top
NOREF#589  -  []  352.24 243.59 90 top
NOREF#590  -  []  167.7 214 90 top
NOREF#591  -  []  405.51 209.61 0 top
NOREF#592  -  []  110.47 178.64 0 top
NOREF#593  -  []  199.59 216.47 90 top
NOREF#594  -  []  396.55 273.11 0 top
NOREF#595  -  []  399.07 208.91 90 top
NOREF#596  -  []  311.15 159.63 90 top
NOREF#597  -  []  354.27 131.87 90 top
NOREF#598  -  []  329.16 296.86 0 top
NOREF#599  -  []  399.99 181.42 90 top
NOREF#600  -  []  333.4 264.35 90 top
NOREF#601  -  []  182.57 199.39 0 top
NOREF#602  -  []  184.47 204.09 90 top
NOREF#603  -  []  342.36 225.04 90 top
NOREF#604  -  []  237.57 269.63 90 top
NOREF#605  -  []  342.36 163.82 90 top
NOREF#606  -  []  118.96 179.19 0 top
NOREF#607  -  []  385.32 161.49 90 top
NOREF#608  -  []  339.33 265.55 0 top
NOREF#609  -  []  182.82 189.04 90 top
NOREF#610  -  []  254.61 204.65 90 top
NOREF#611  -  []  352.25 241.05 90 top
NOREF#612  -  []  366.88 239.21 0 top
NOREF#613  -  []  333.4 205.56 0 top
NOREF#614  -  []  340.83 234.63 90 top
NOREF#615  -  []  256.73 132.14 0 top
NOREF#616  -  []  175.7 246.08 90 top
NOREF#617  -  []  251.86 252.43 90 top
NOREF#618  -  []  237.2 296.61 0 top
NOREF#619  -  []  351.34 245.18 0 top
